# Altium PCB PCB.PcbDoc (part 1 of 2)
Units mm, origin at the board's own origin, x right, y up, seen from the top; angles counter-clockwise.
Board outline 116.25 x 94.25 mm, 4 copper layers (GTL, GL2, GL3, GBL), stack 1.543 mm thick; 176 components, 132 nets, 641 pads, 243 vias.
Unrouted connection lines stored in the file: 8.
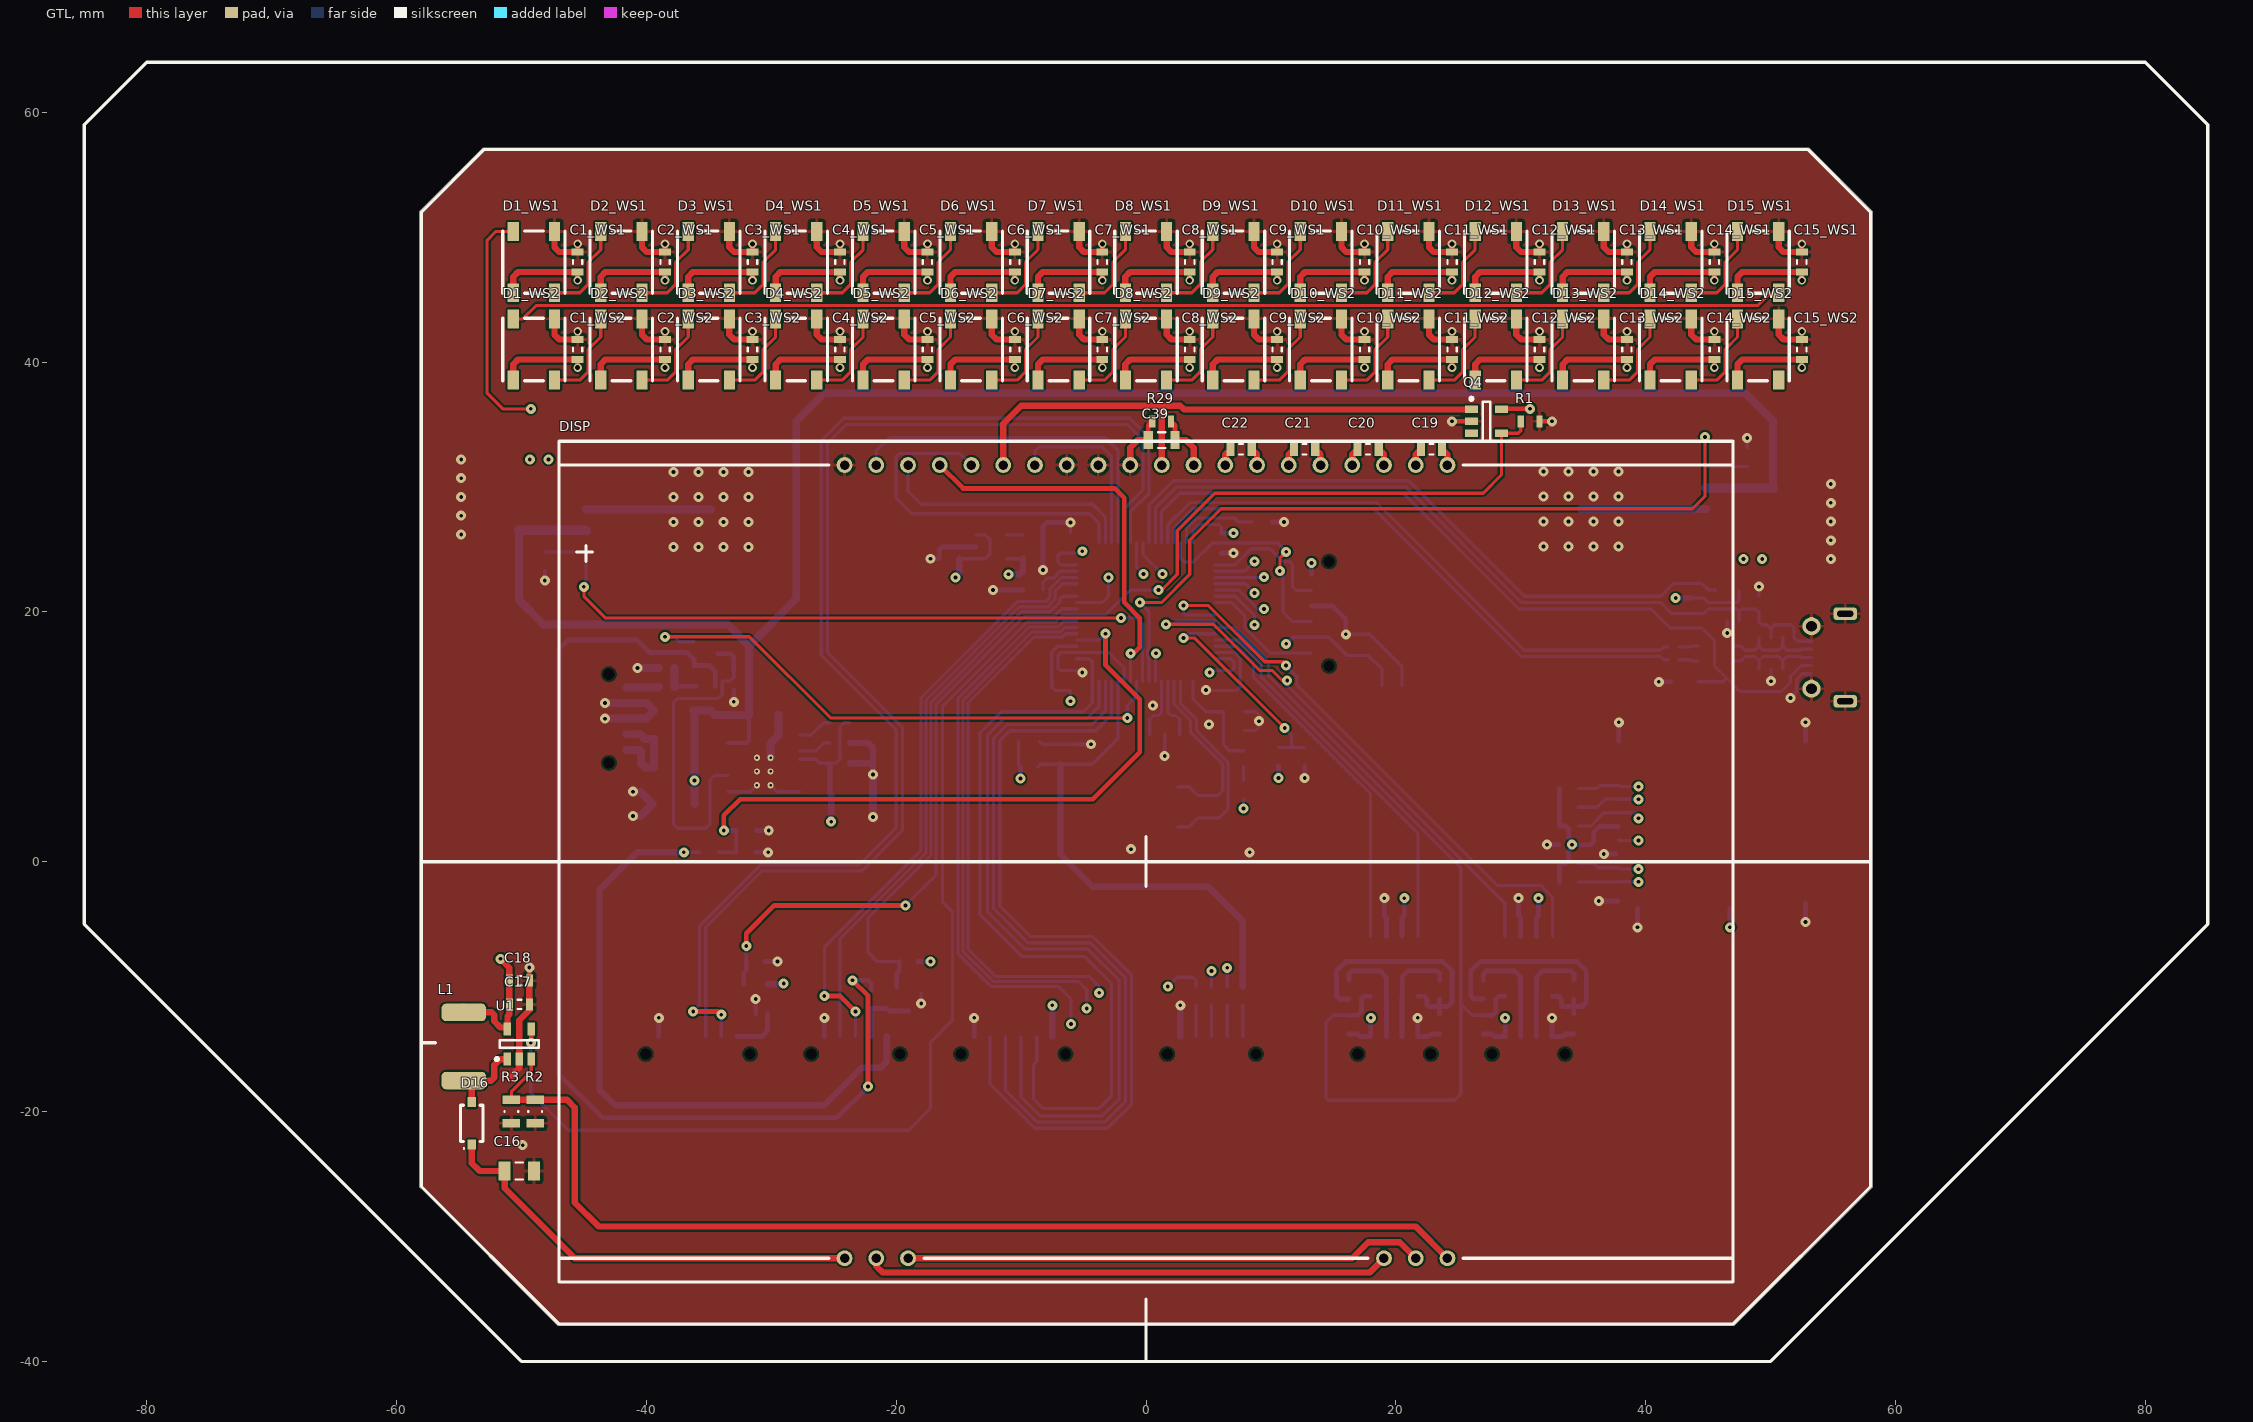
[diagram p0: GTL view]
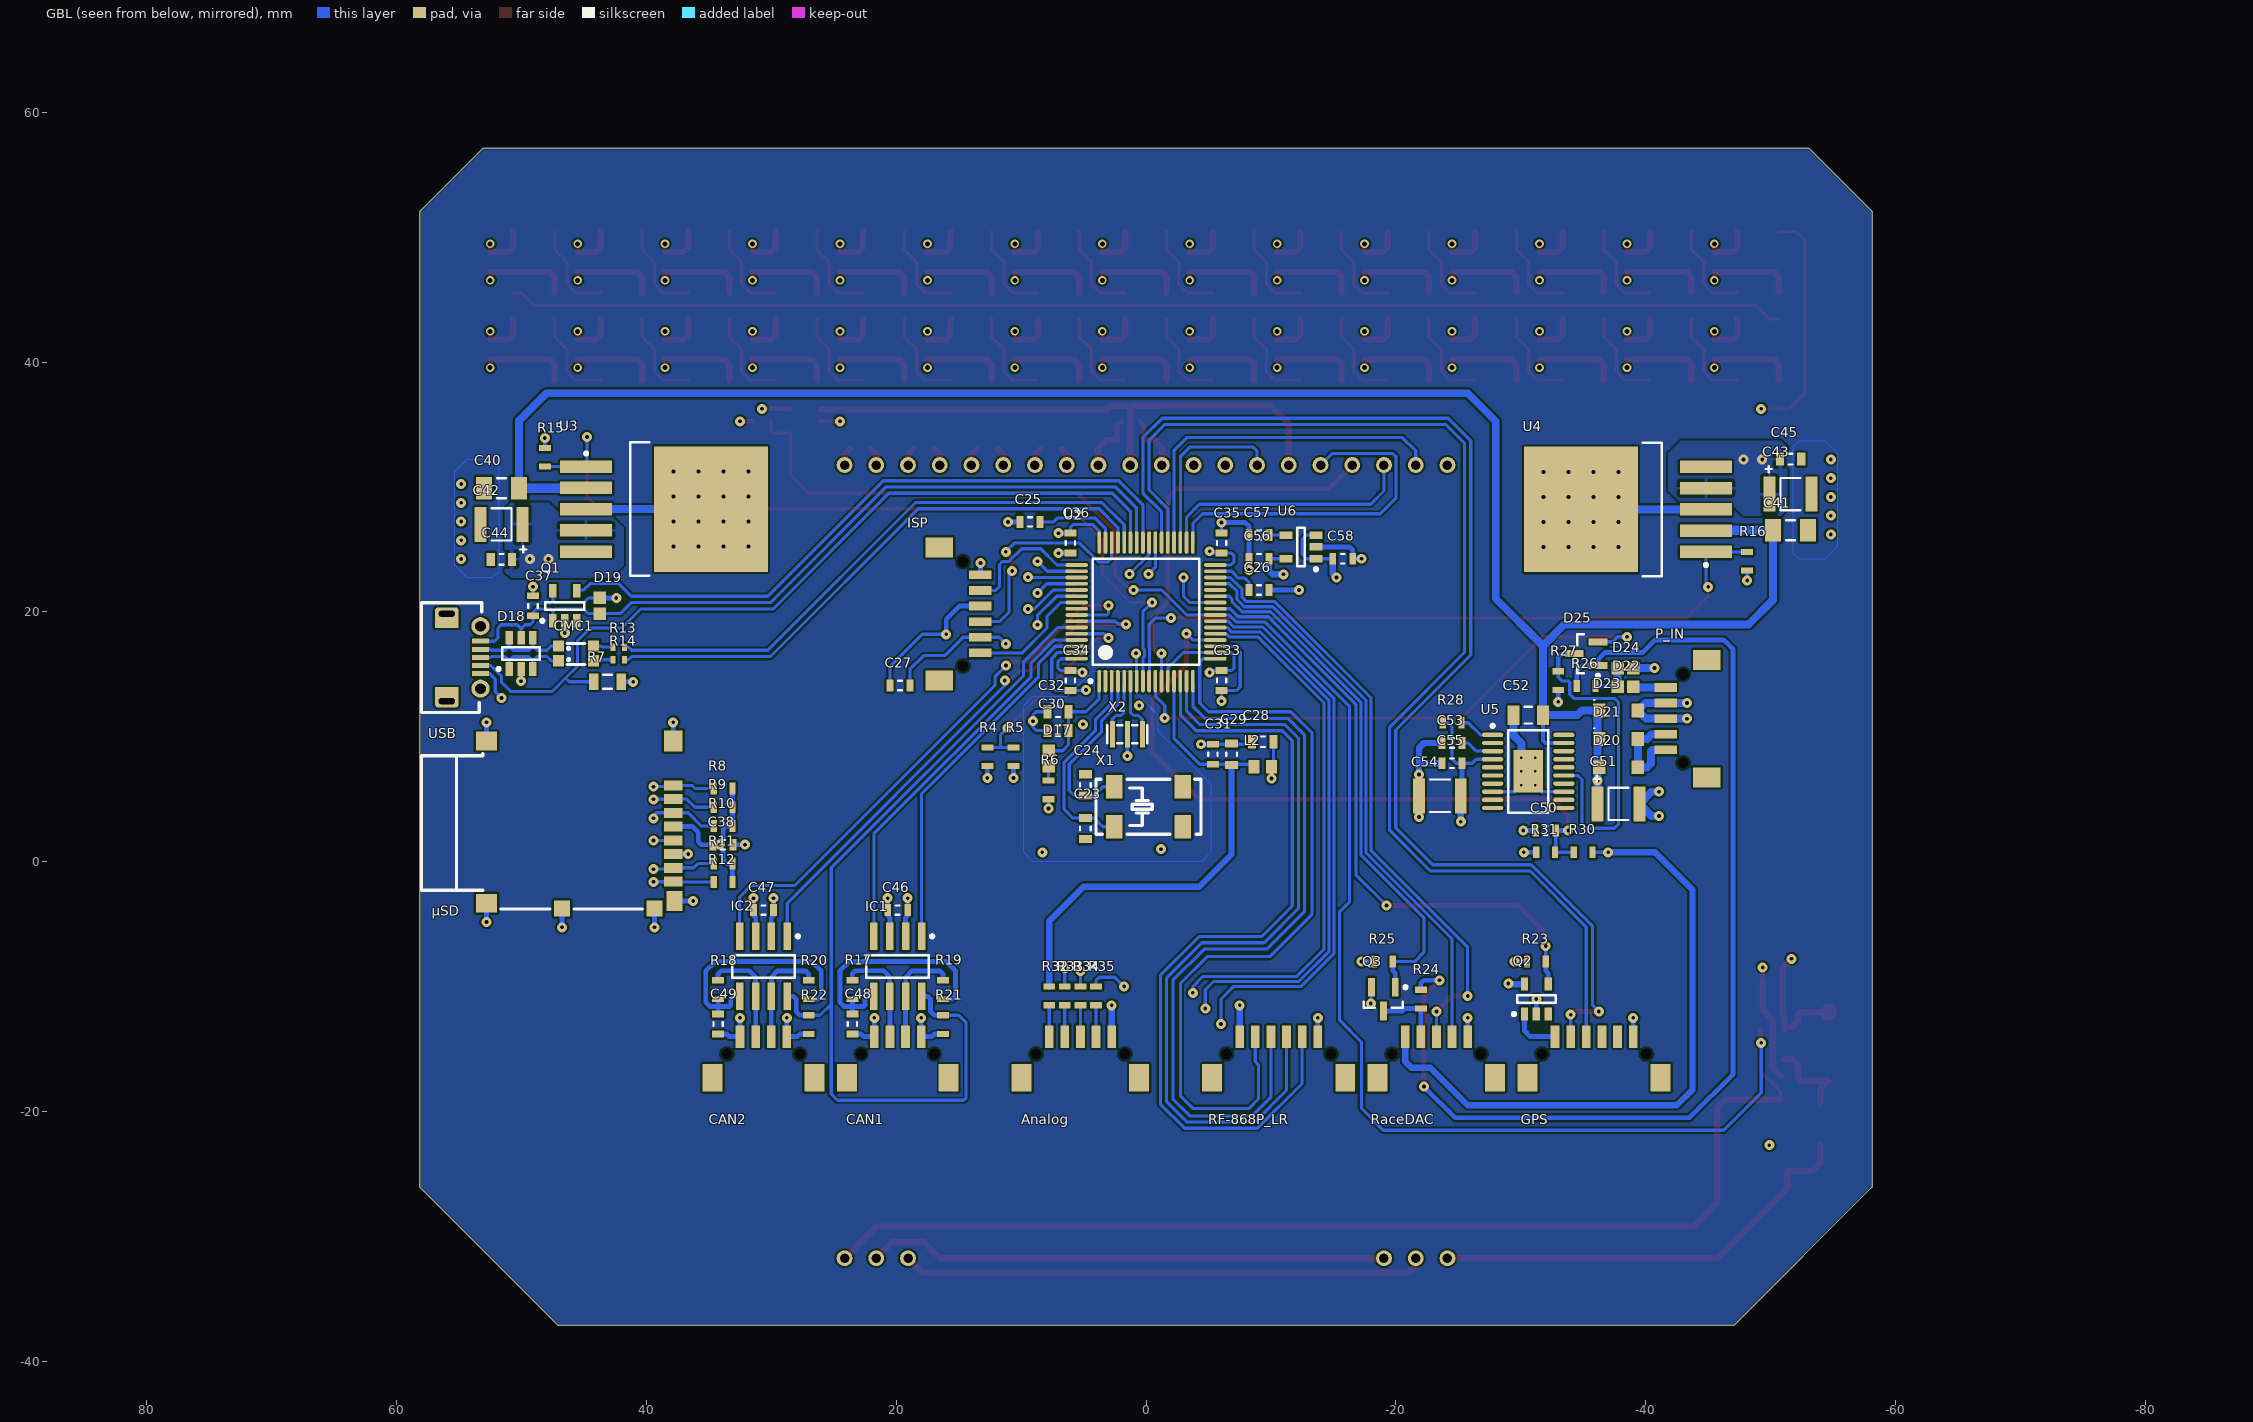
[diagram p1: GBL view, seen from below]
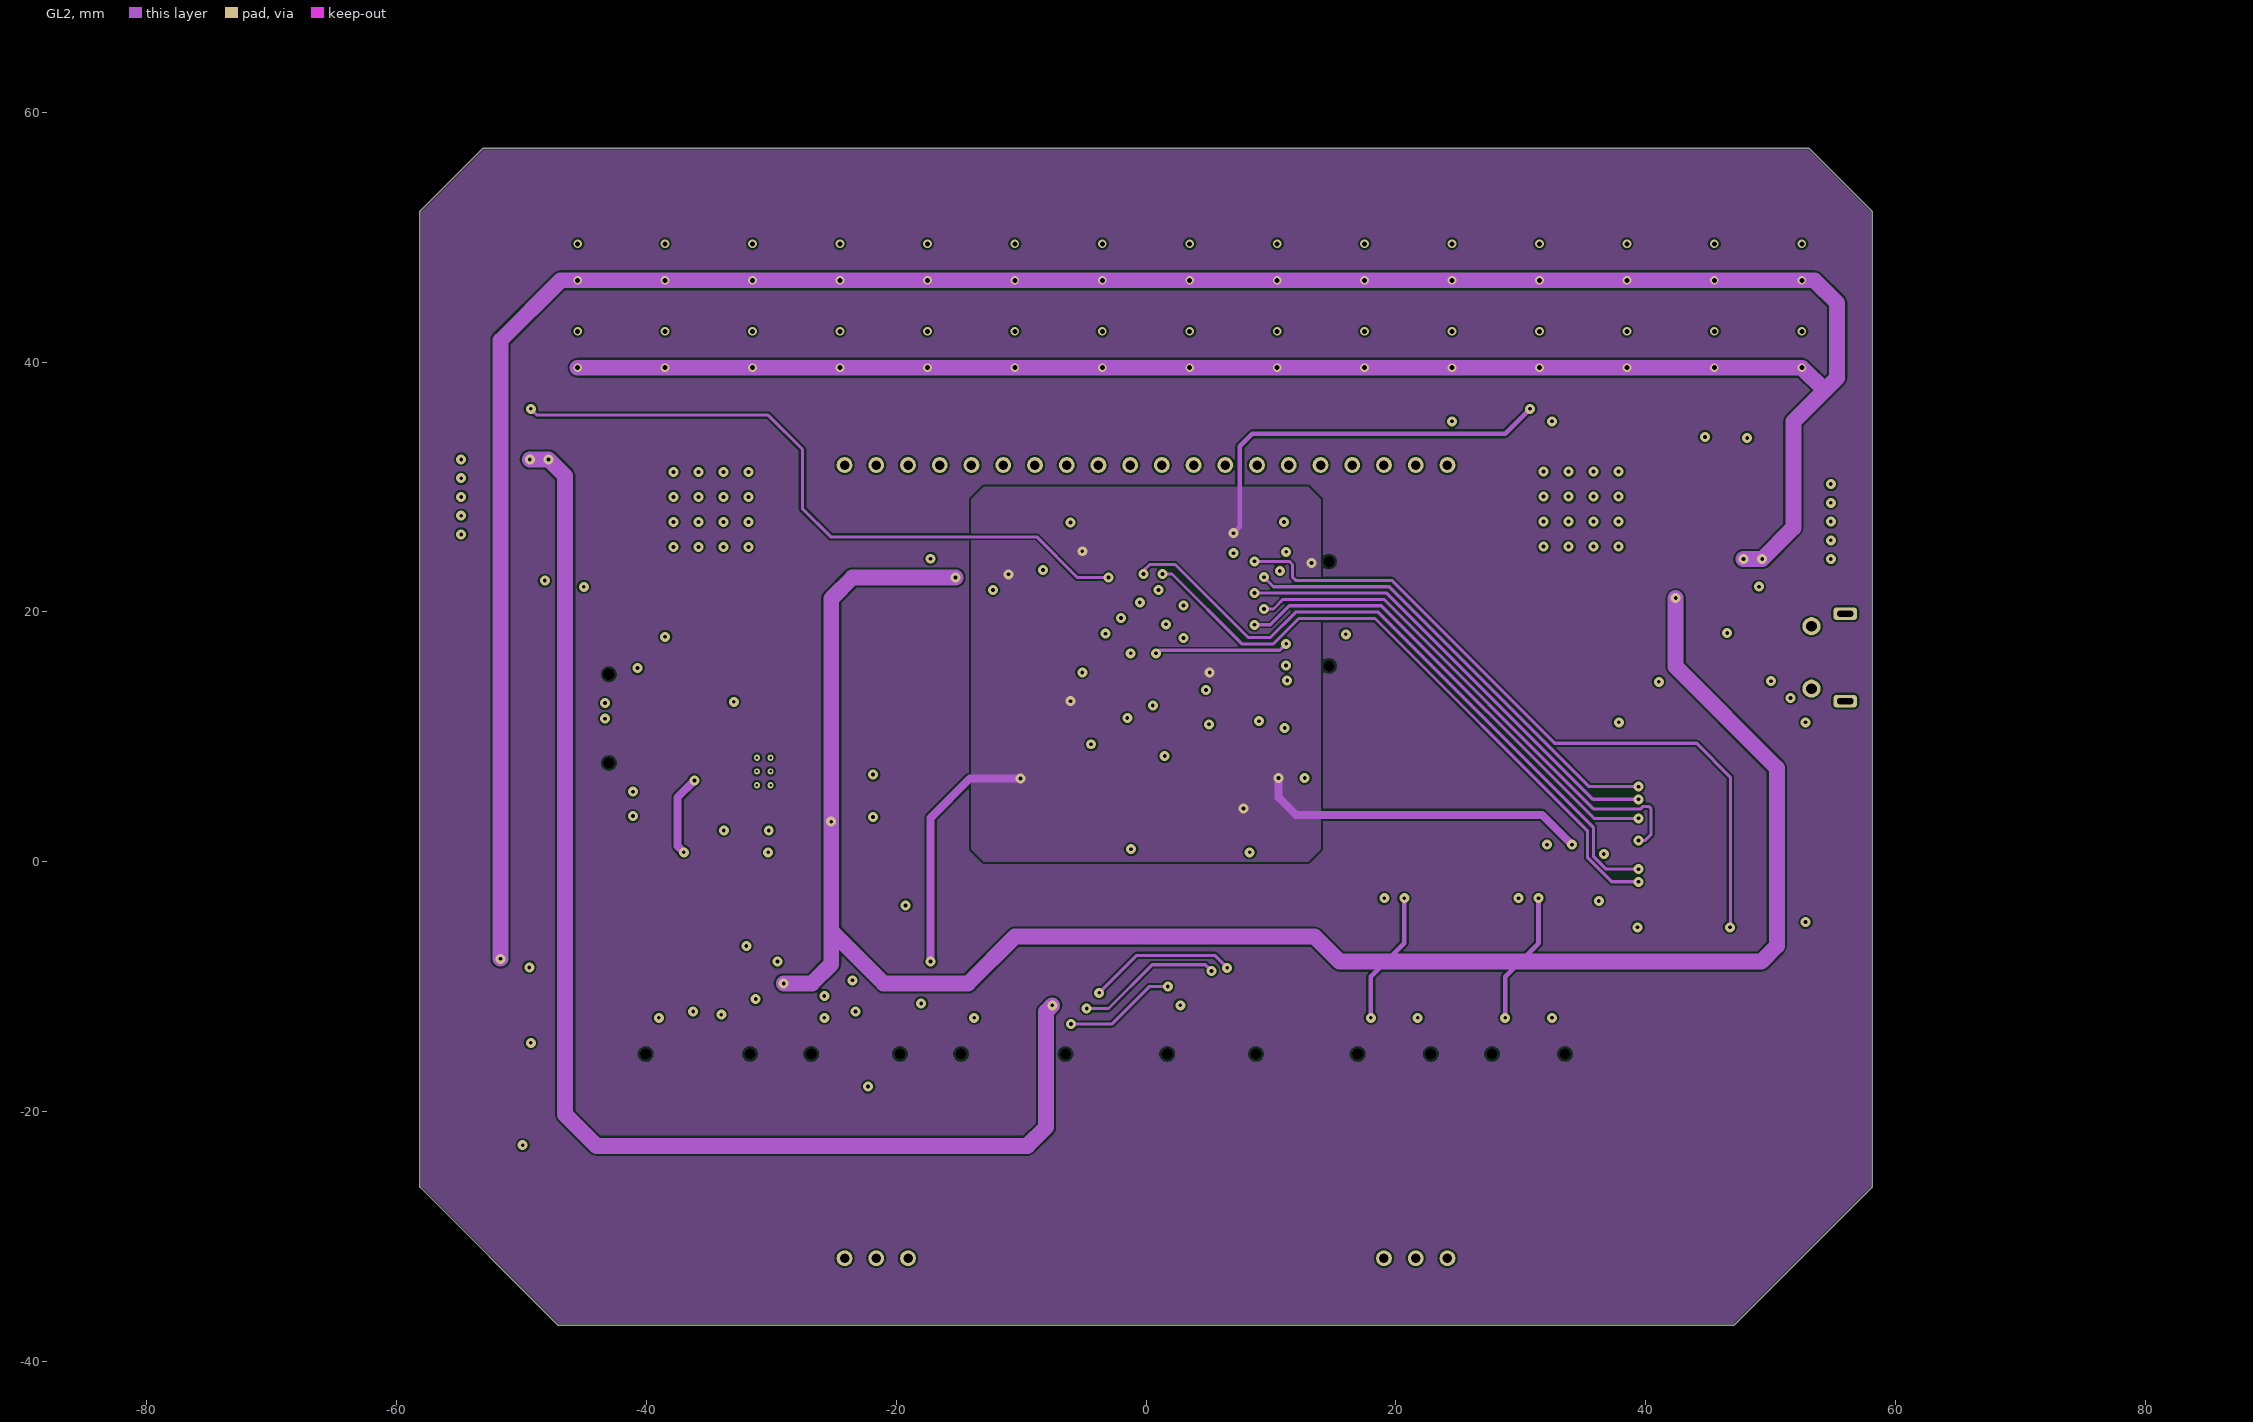
[diagram p2: GL2]
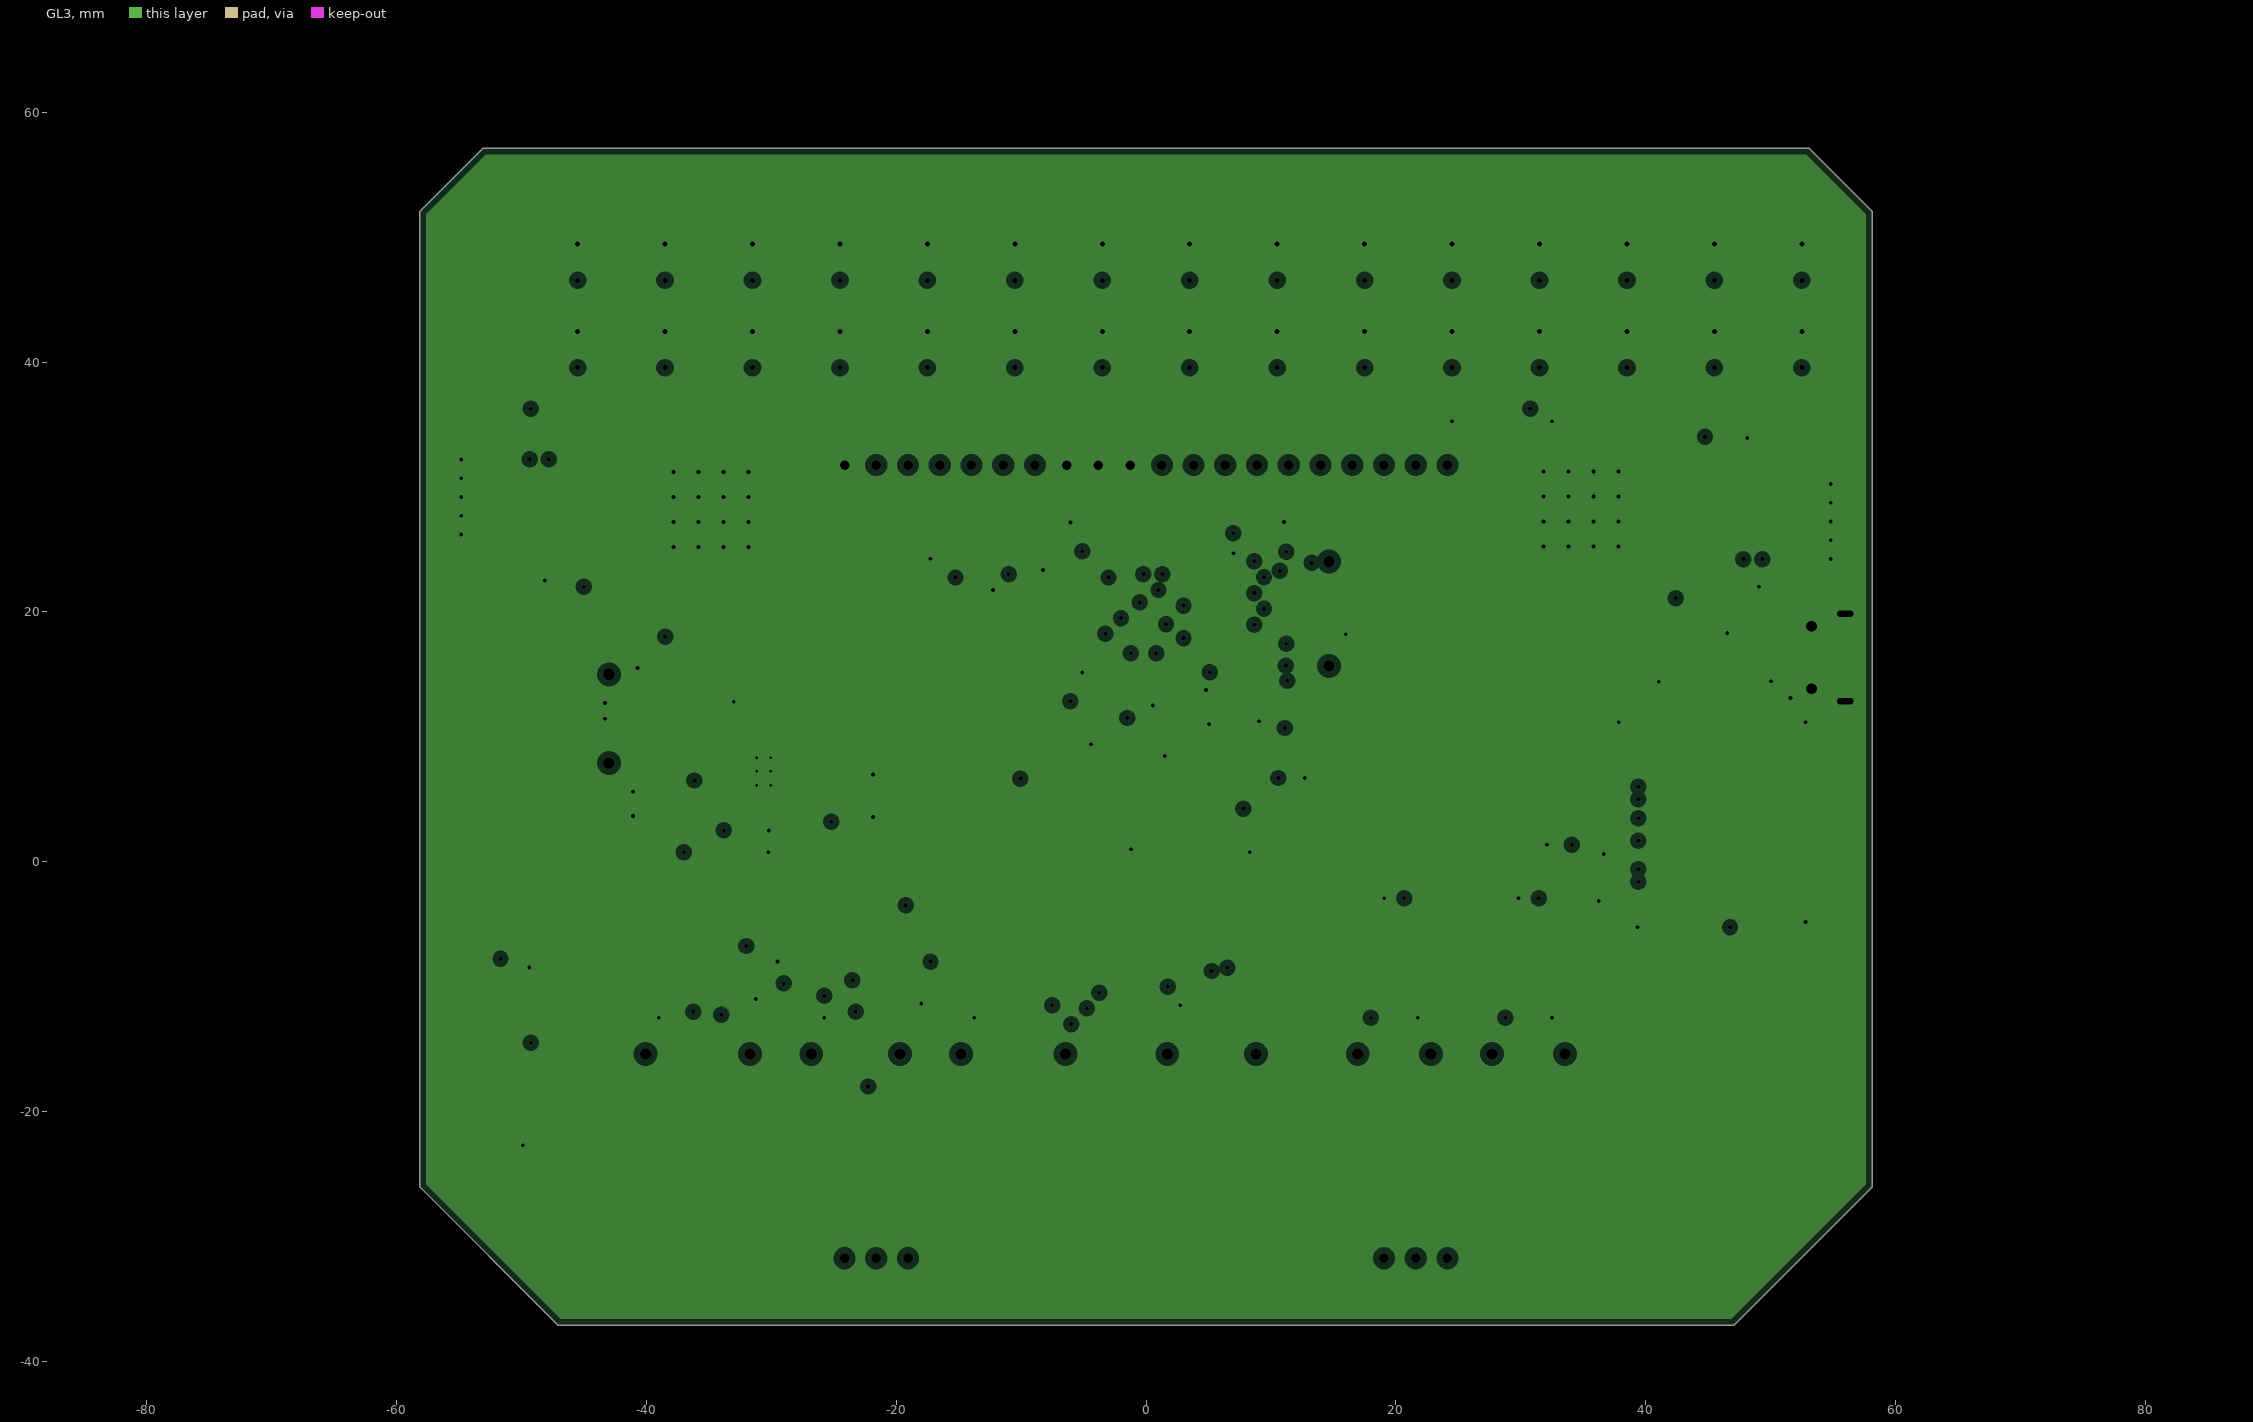
[diagram p3: GL3, clearances drawn from the general rule]
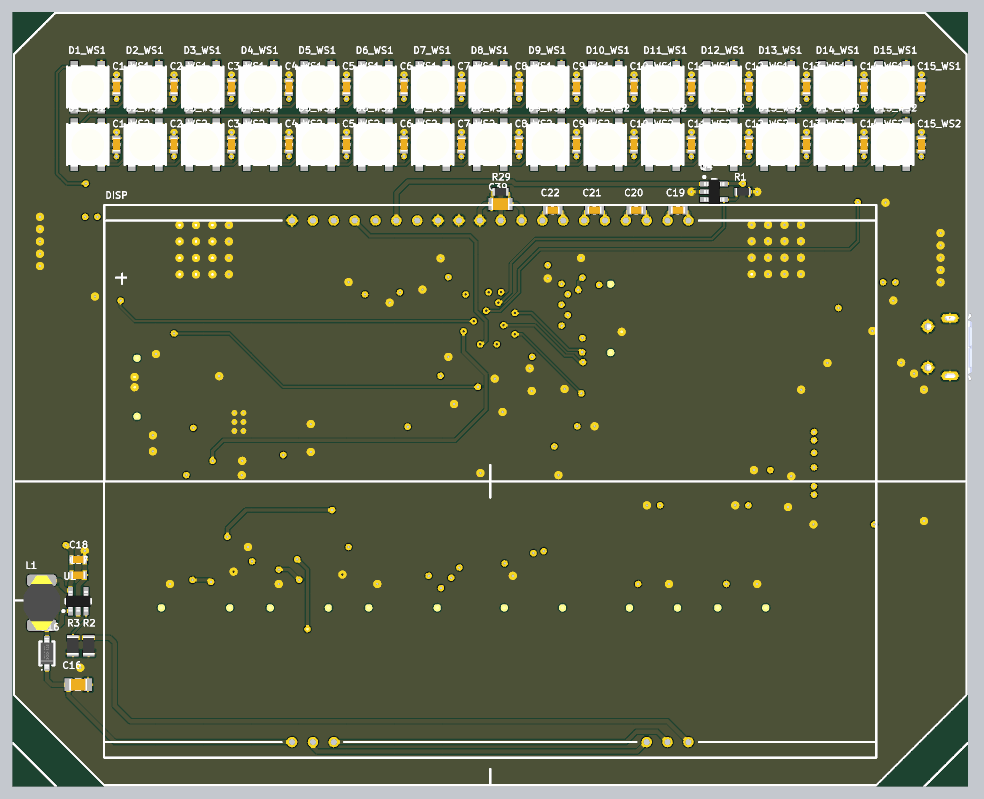
[diagram p5: 3D render of the assembled board from above, using the file's embedded part models]
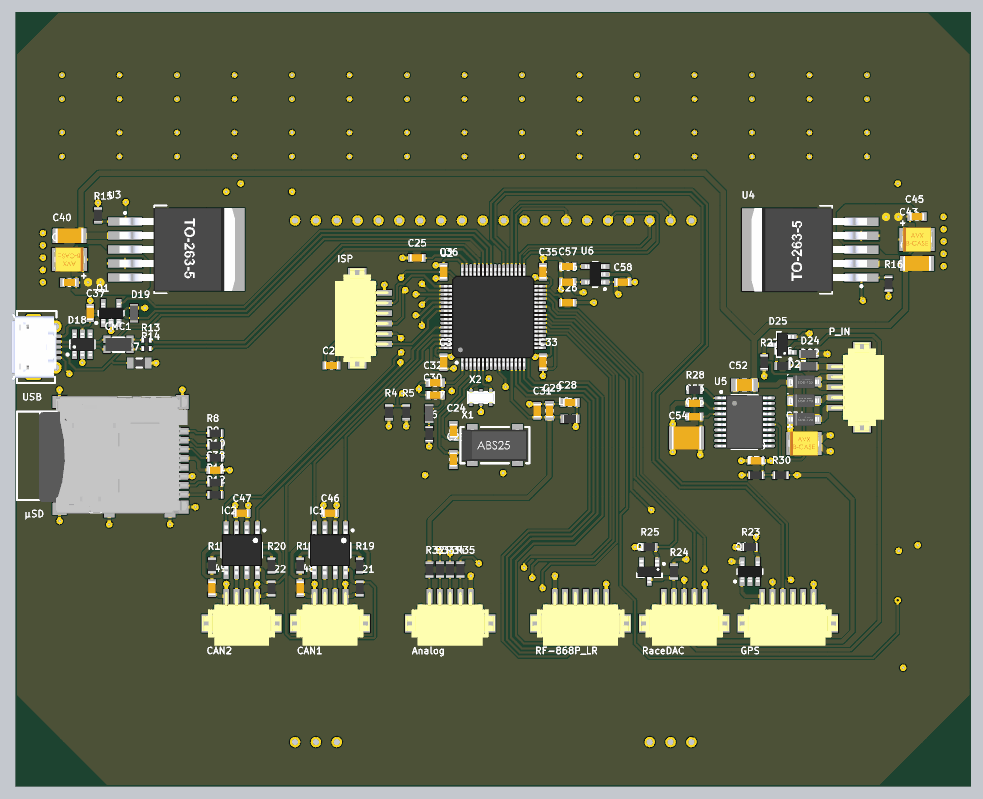
[diagram p6: 3D render of the assembled board from below, using the file's embedded part models]

## Layer stack, top to bottom
GTS: solder mask 0.0102, Solder Resist, Dk 3.5
GTL: signal copper 0.0356
Dielectric 1: core 0.2, FR-4, Dk 4.2
GL2: signal copper 0.036
Dielectric 4: prepreg 1, Dk 4.2
GL3: plane copper 0.036, net GND
Dielectric 3: core 0.2, Dk 4.2
GBL: signal copper 0.0356
GBS: solder mask 0.0102, Solder Resist, Dk 3.5

## Board outline
-58.09,-26.09 cw(c-58,-26) -58.127,-26 -58.127,52 cw(c-58,52) -58.09,52.091 -58.09,52.09 -53.09,57.09 -53.091,57.09 cw(c-53,57) -53,57.127 53,57.127 cw(c53,57) 53.091,57.09 53.09,57.09 58.09,52.09 58.09,52.091 cw(c58,52) 58.127,52 58.127,-26 cw(c58,-26) 58.09,-26.09 47.09,-37.09 47.091,-37.09 cw(c47,-37) 47,-37.127 -47,-37.127 cw(c-47,-37) -47.091,-37.09 -47.09,-37.09

## Design rules (kind name [scope] priority, off if disabled: settings)
Clearance [All] p1: gap=0.152 ignorepadtopadclearanceinfootprint=FALSE
DiffPairsRouting [All] p1: maxlimit=0.254 minlimit=0.254 mostfreqgap=0.254 toplayer_minwidth=0.254 toplayer_maxwidth=0.381 toplayer_prefwidth=0.381 midlayer1_minwidth=0.254 midlayer1_maxwidth=0.381 midlayer1_prefwidth=0.381 bottomlayer_minwidth=0.254 bottomlayer_maxwidth=0.381 bottomlayer_prefwidth=0.381 maxuncoupledlength=12.7
HoleSize [All] p1: absolutevalues=TRUE maxlimit=6.3 minlimit=0.3 maxpercent=80.000 minpercent=20.000
PlaneClearance [All] p1: clearance=0.508
PlaneConnect [All] p1: planeconnectstyle=Relief reliefexpansion=0.508 reliefentries=4 reliefconductorwidth=0.254 reliefairgap=0.254
PolygonConnect PolygonConnect_VIA [IsPolygon vs IsVia] p1: connectstyle=Direct reliefconductorwidth=0.254 reliefentries=4 polygonreliefangle="90 Angle" airgapwidth=0.254
PolygonConnect [All] p2: connectstyle=Relief reliefconductorwidth=0.254 reliefentries=4 polygonreliefangle="90 Angle" airgapwidth=0.254
RoutingVias [All] p1: holewidth=0.3 width=0.8 viastyle="Through Hole" minholewidth=0.3 minwidth=0.6 maxholewidth=6.3 maxwidth=6.6
SolderMaskExpansion [All] p1: expansion=0.102
Width [All] p1: maxlimit=1.27 minlimit=0.152 preferedwidth=0.254 minimp=50.000000 maximp=50.000000 favimp=50.000000
26 further rules are at their usual default settings.

## Classes and differential pairs
component class U_RDAC: Q3 R24 R25 RaceDAC
component class U_Telemetry: RF-868P_LR
component class U_Power: C40 C41 C42 C43 C44 C45 C51 C52 C53 C54 C55 C56 C57 C58 D20 D21 D22 D23 D24 D25 P_IN R15 R16 R26 R27 R28 U3 U4 U5 U6
component class U_GPS: GPS Q2 R23
component class U_CAN: C46 C47 C48 C49 CAN1 CAN2 IC1 IC2 R17 R18 R19 R20 R21 R22
channel class WS2812B: WS1 WS2 WS3
component class WS1: C1_WS1 C2_WS1 C3_WS1 C4_WS1 C5_WS1 C6_WS1 C7_WS1 C8_WS1 C9_WS1 C10_WS1 C11_WS1 C12_WS1 C13_WS1 C14_WS1 C15_WS1 D1_WS1 D2_WS1 D3_WS1 D4_WS1 D5_WS1 D6_WS1 D7_WS1 D8_WS1 D9_WS1 D10_WS1 D11_WS1 D12_WS1 D13_WS1 D14_WS1 D15_WS1
component class WS2: C1_WS2 C2_WS2 C3_WS2 C4_WS2 C5_WS2 C6_WS2 C7_WS2 C8_WS2 C9_WS2 C10_WS2 C11_WS2 C12_WS2 C13_WS2 C14_WS2 C15_WS2 D1_WS2 D2_WS2 D3_WS2 D4_WS2 D5_WS2 D6_WS2 D7_WS2 D8_WS2 D9_WS2 D10_WS2 D11_WS2 D12_WS2 D13_WS2 D14_WS2 D15_WS2
component class U_Display: C16 C17 C18 C19 C20 C21 C22 C39 D16 DISP L1 Q4 R1 R2 R3 R29 U1
component class U_Microcontroller: Analog C23 C24 C25 C26 C27 C28 C29 C30 C31 C32 C33 C34 C35 C36 C37 C38 C50 CMC1 D17 D18 D19 ISP L2 Q1 R4 R5 R6 R7 R8 R9 R10 R11 R12 R13 R14 R30 R31 R32 R33 R34 R35 U2 USB X1 X2 µSD
differential pair USB_D: +USB_D_P -USB_D_N
differential pair USB_D2: +USB_D2_P -USB_D2_N
differential pair USB_D1: +USB_D1_P -USB_D1_N
